# Altium PCB Bran_Main_Assay_PCB_v2_20170726.PcbDoc (part 1 of 5)
Units mil, origin at the board's own origin, x right, y up, seen from the top; angles counter-clockwise.
Board outline 3608.46 x 1899.79 mil, 6 copper layers (TOP, GND1, Singal, POWER, GND2, BOTTOM), stack 31.508 mil thick; 365 components, 289 nets, 1399 pads, 974 vias.
Unrouted connection lines stored in the file: 1.
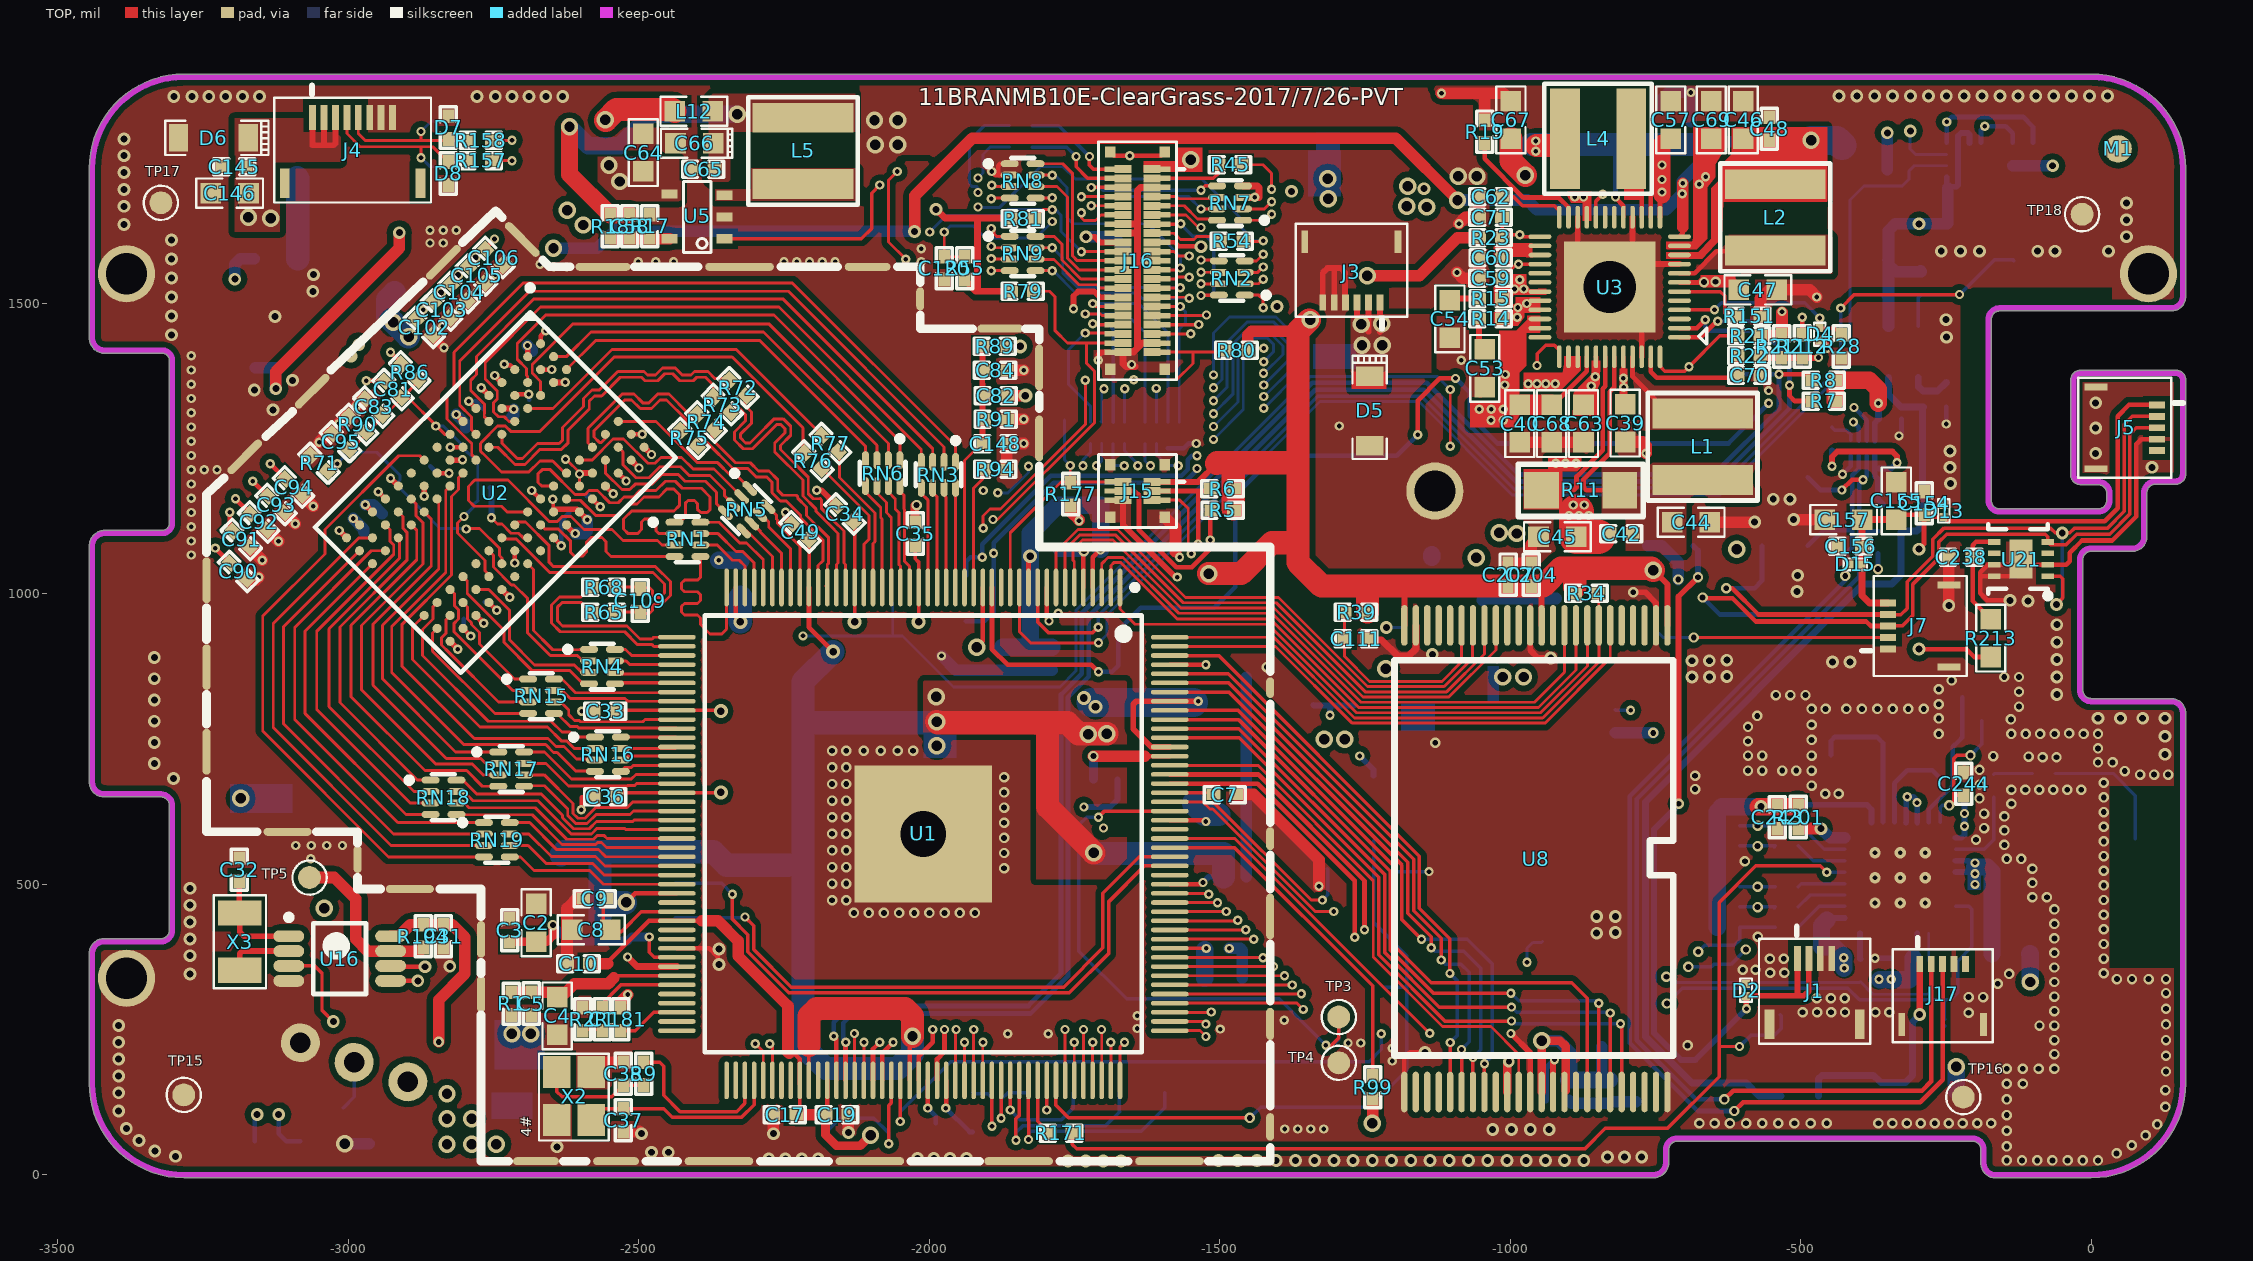
[diagram p0: TOP view]
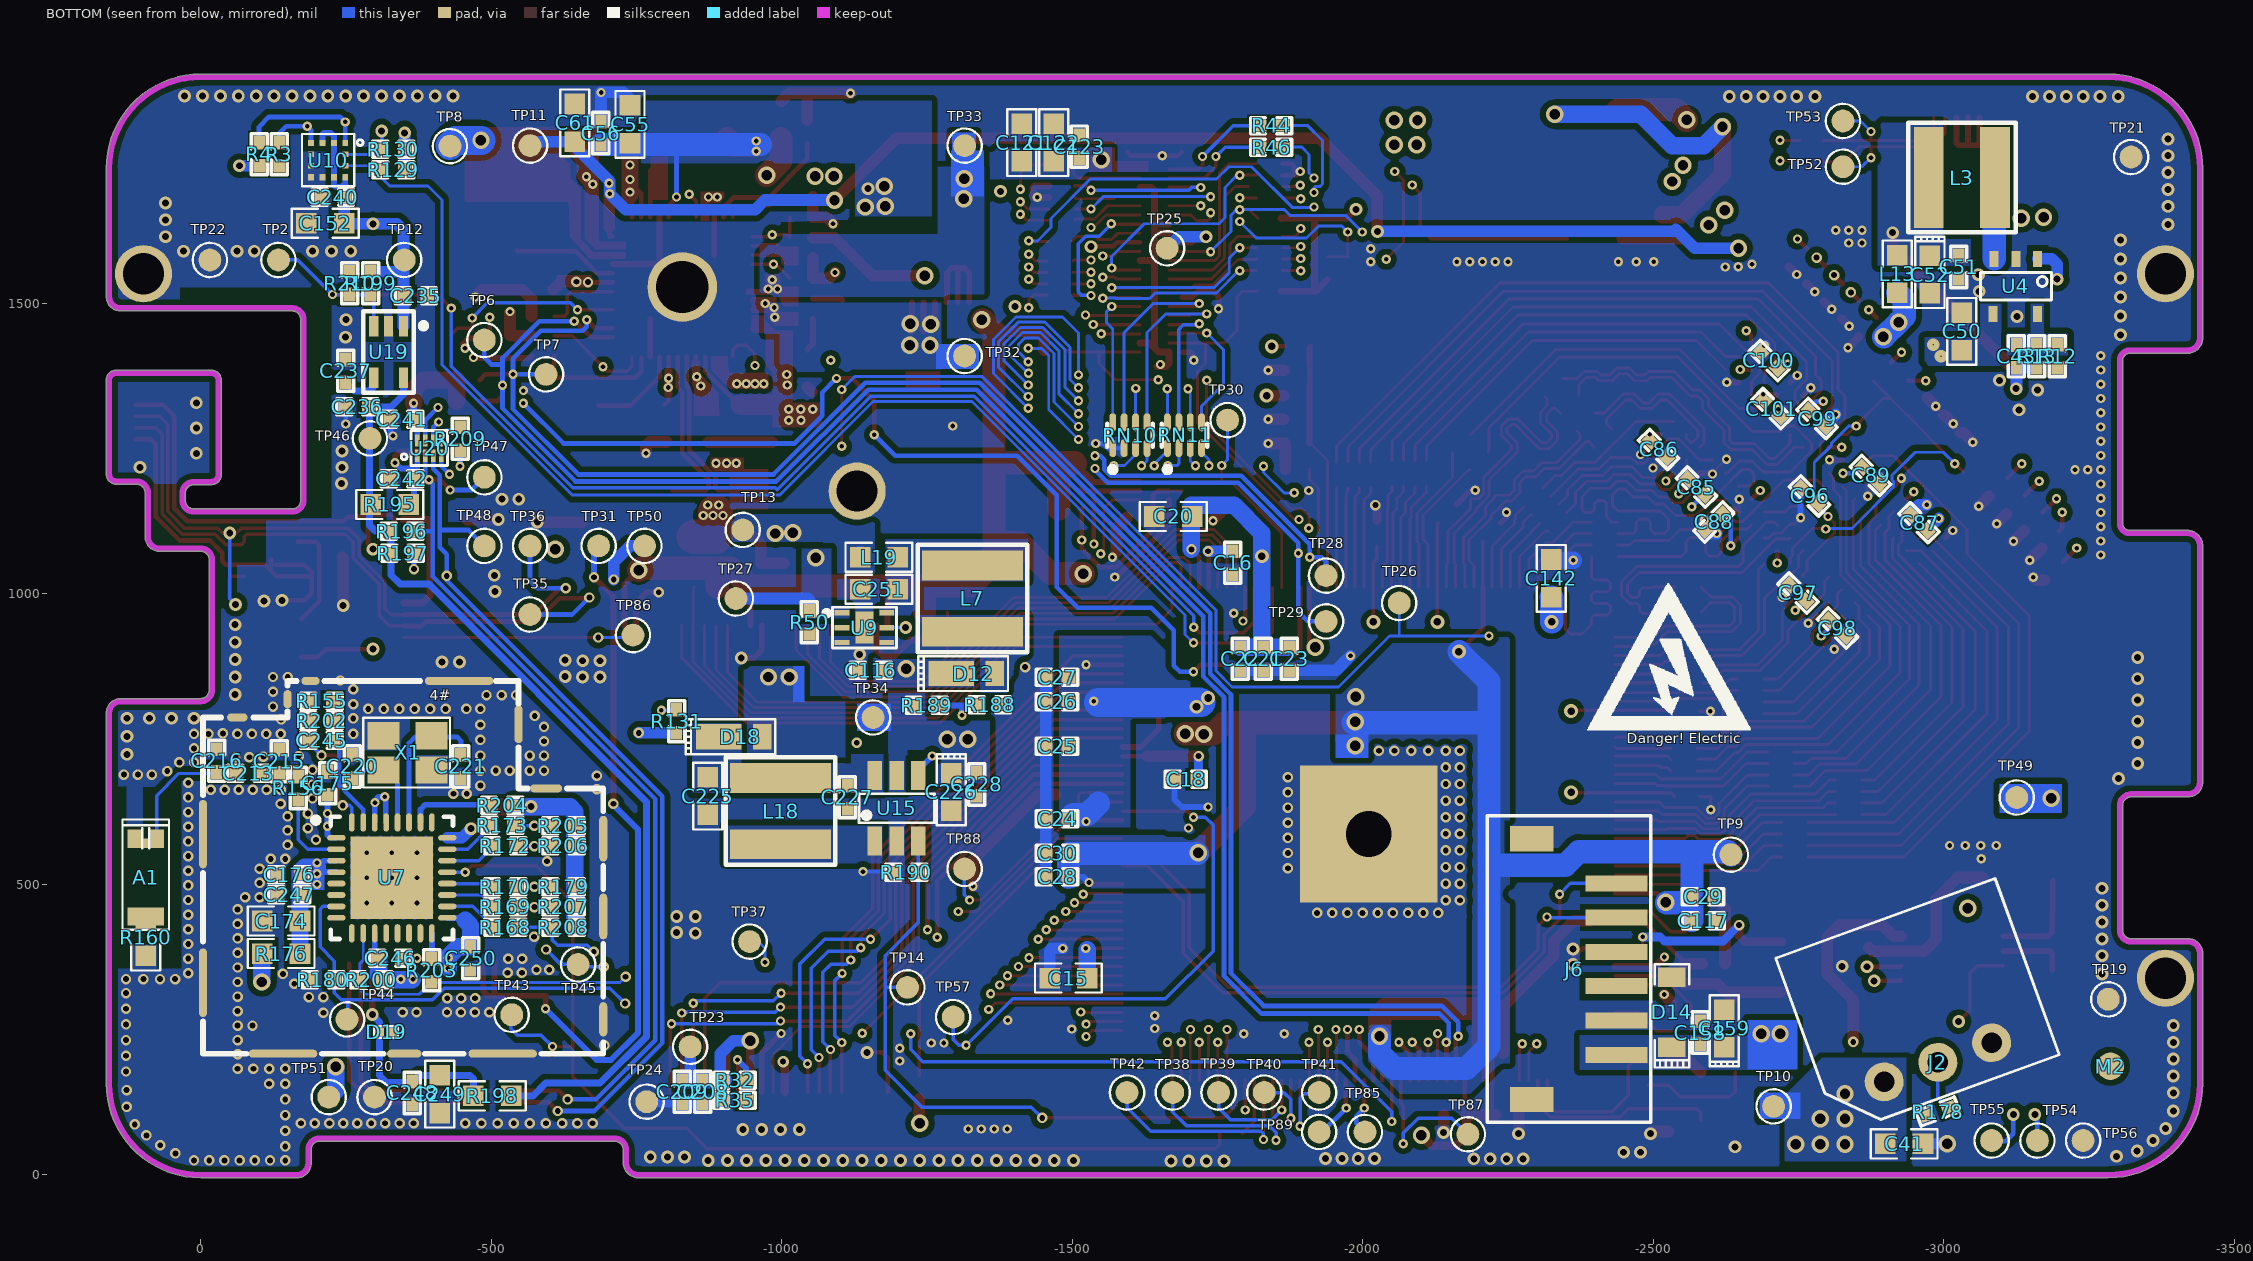
[diagram p1: BOTTOM view, seen from below]
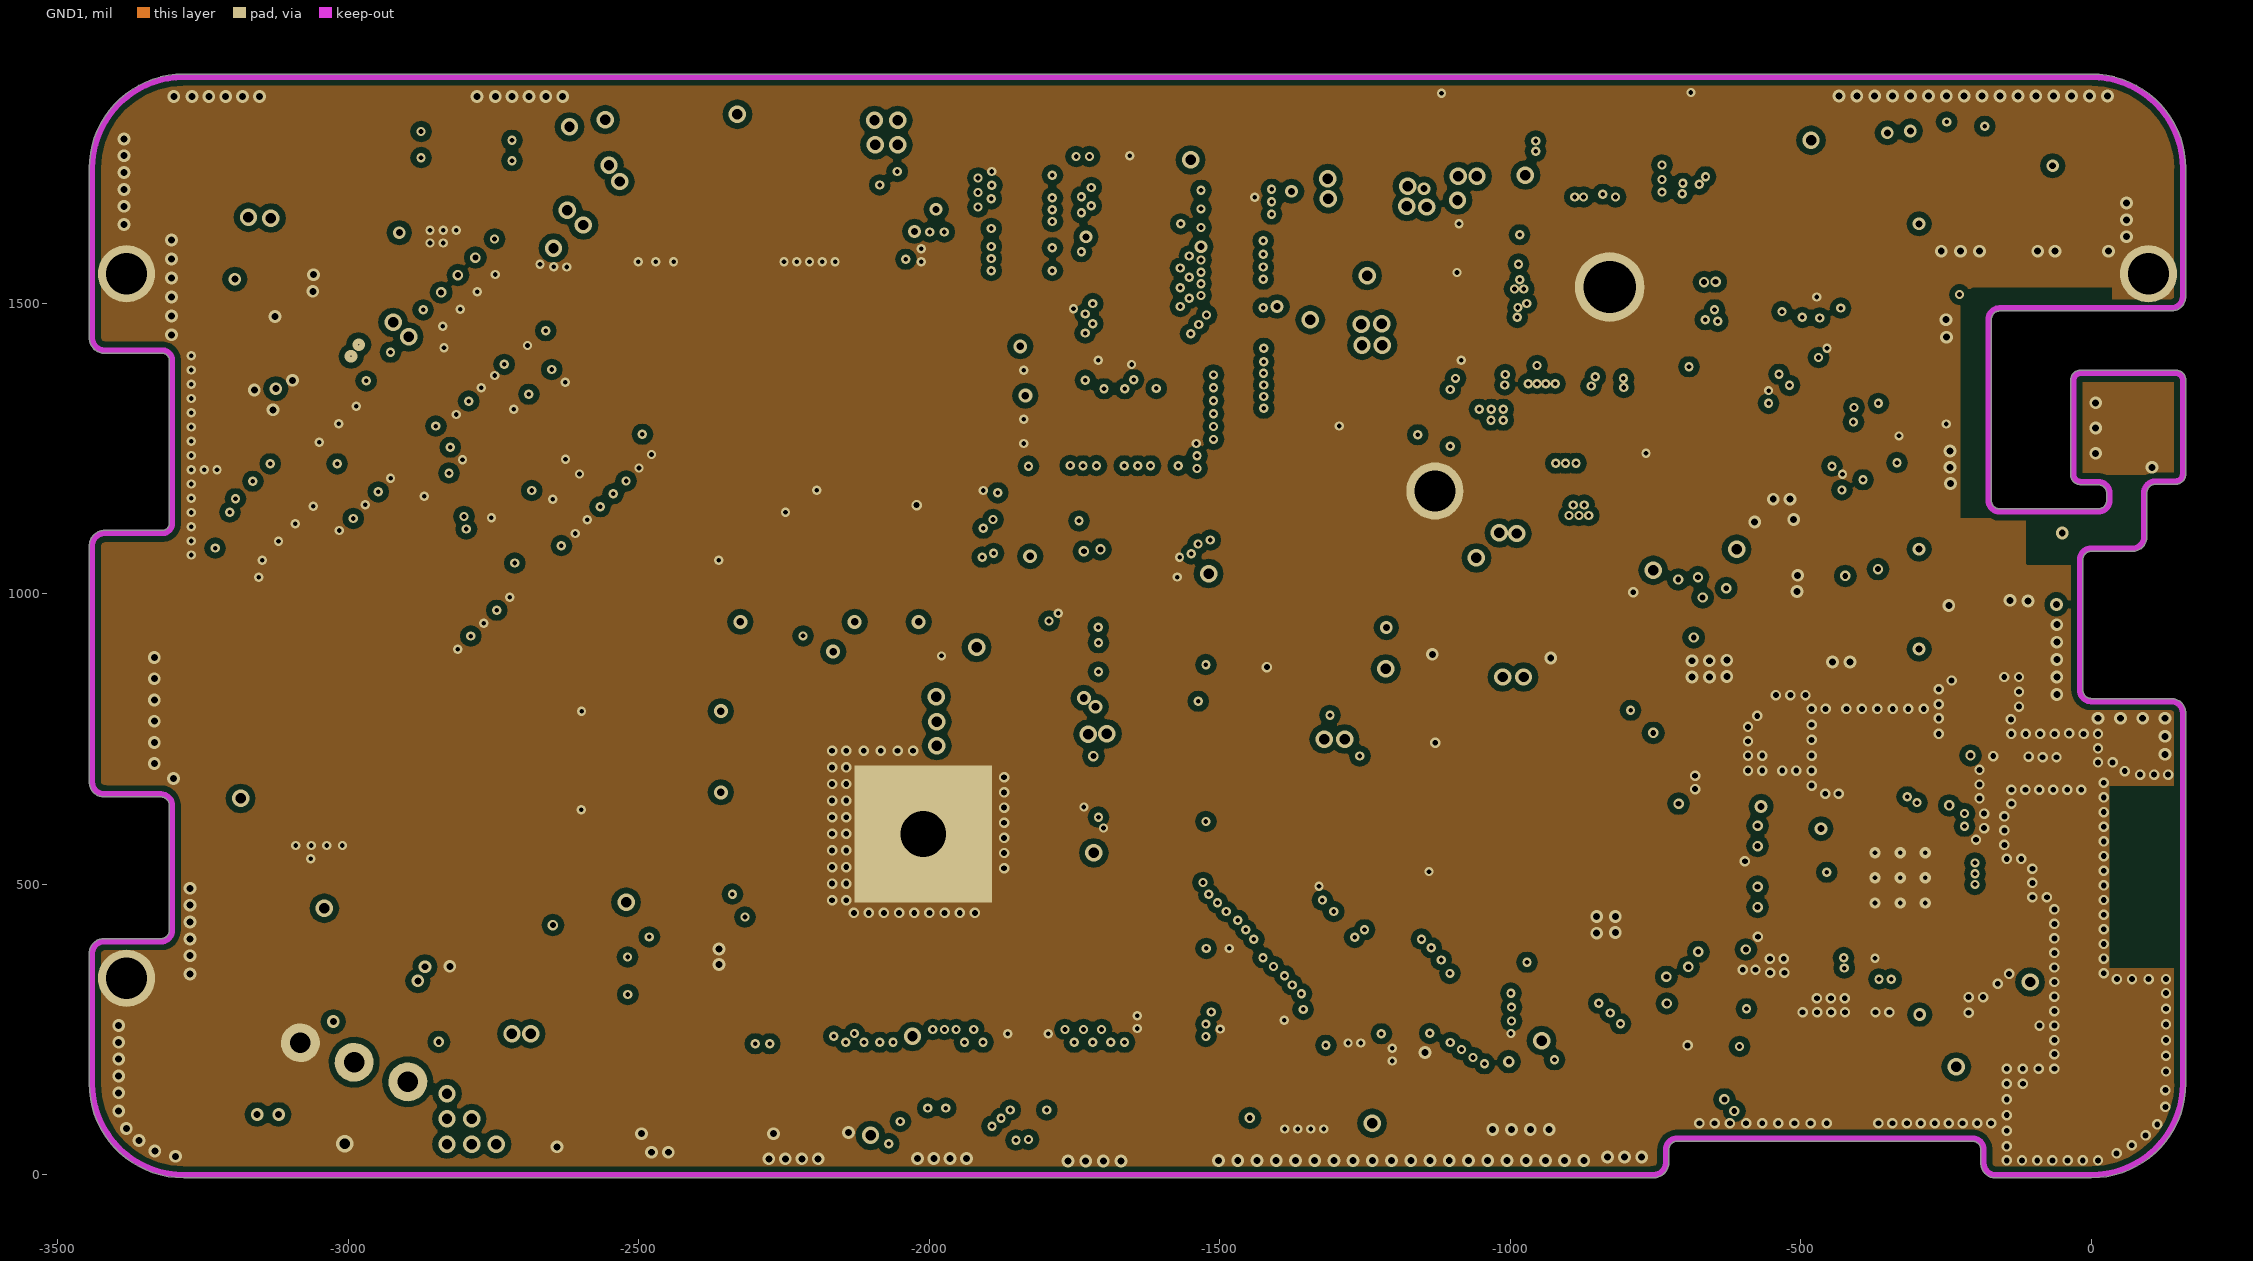
[diagram p2: GND1]
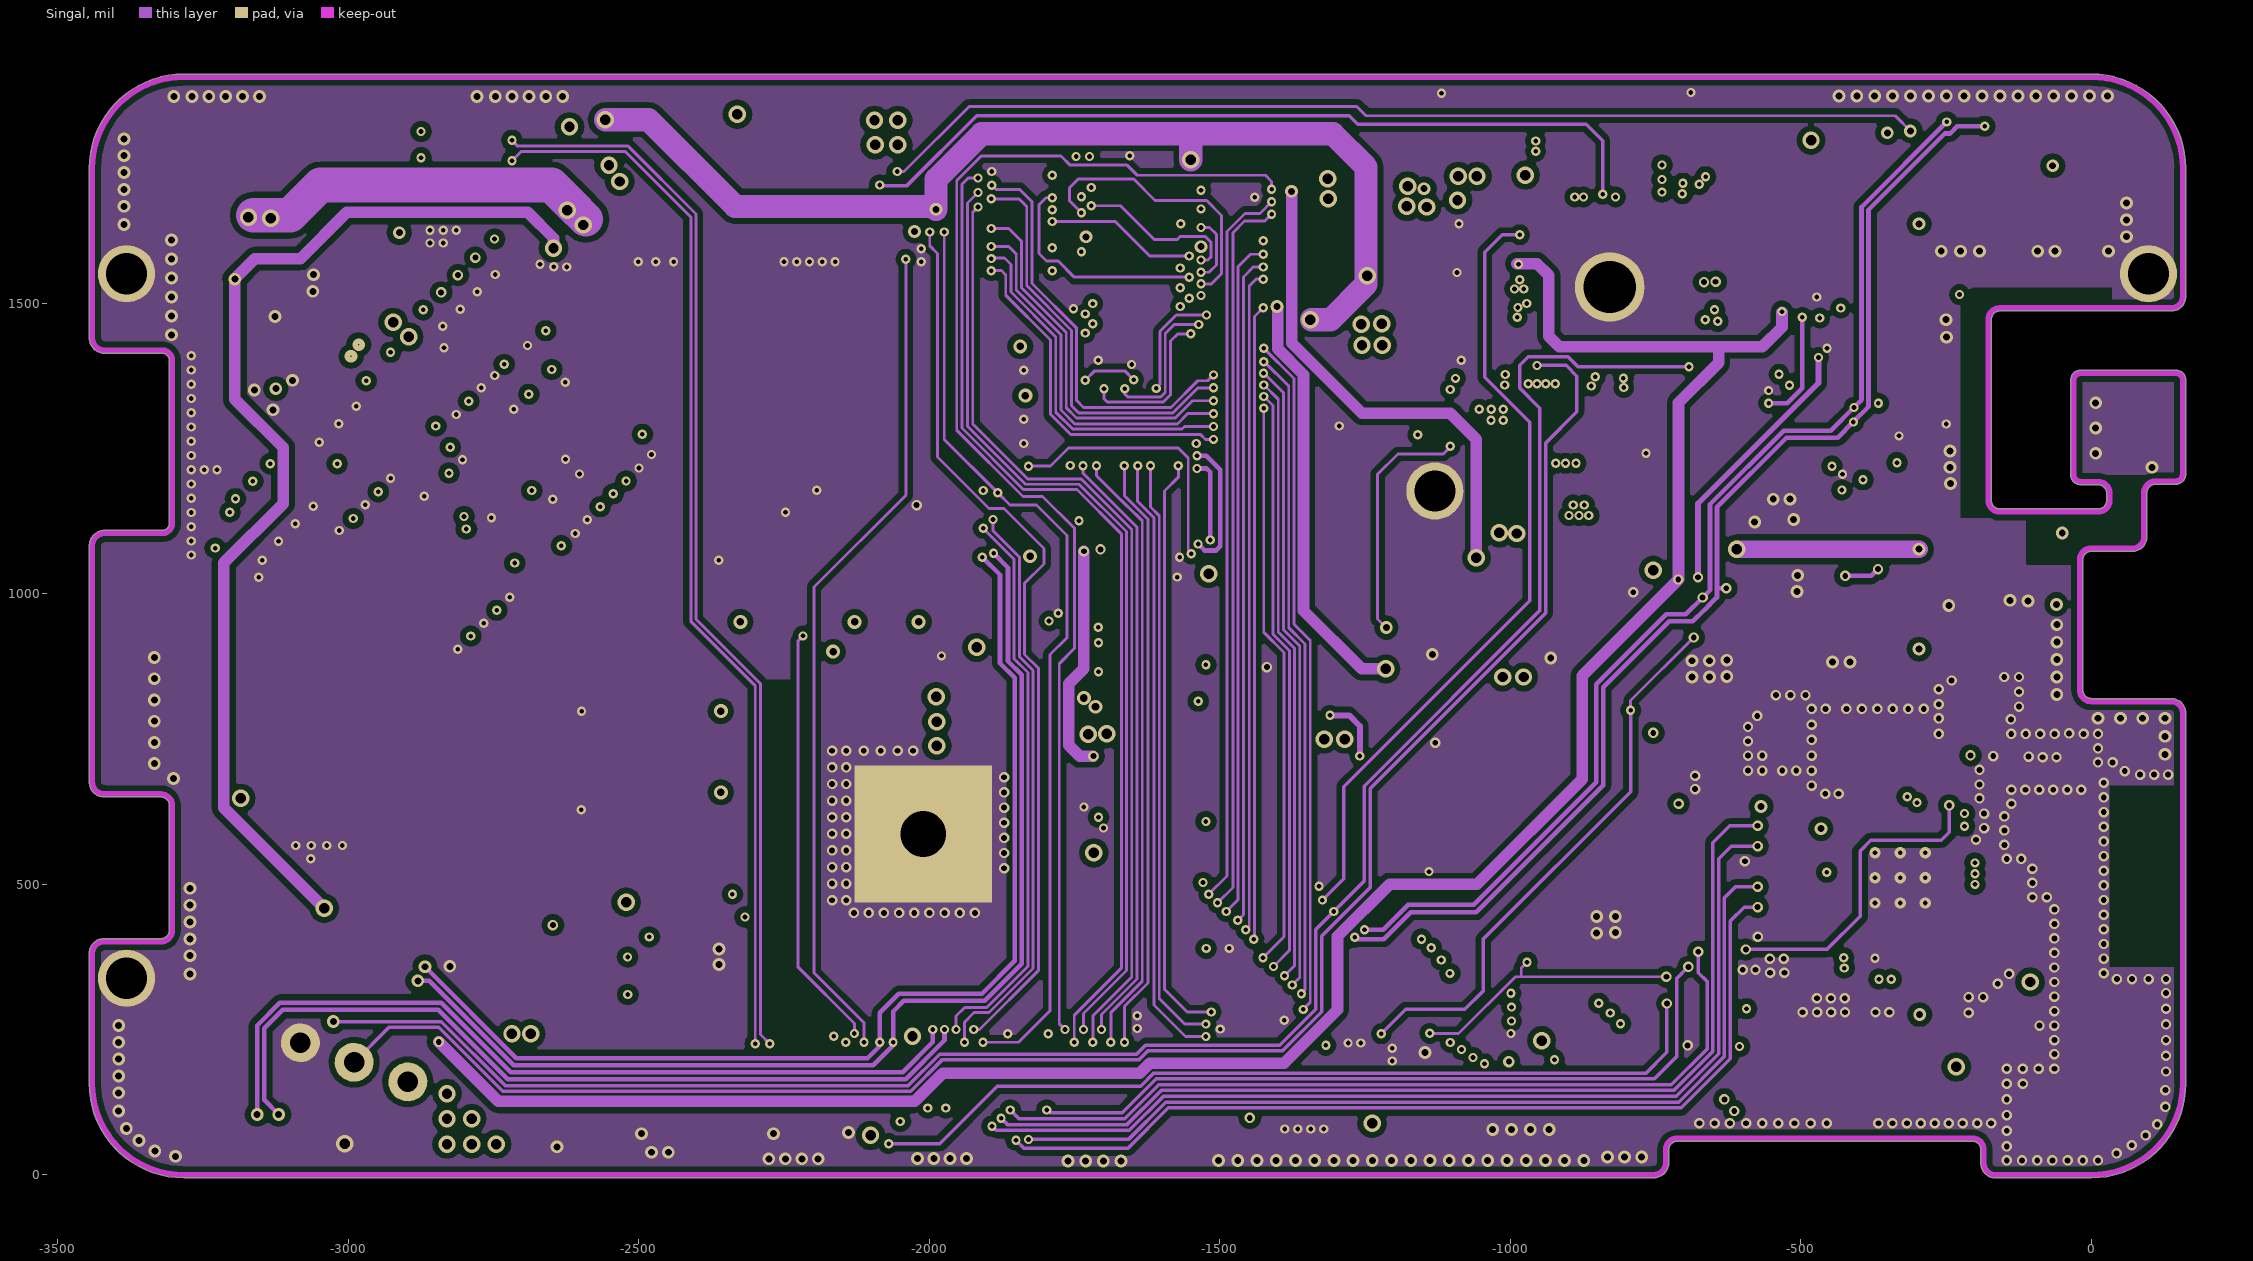
[diagram p3: Singal]
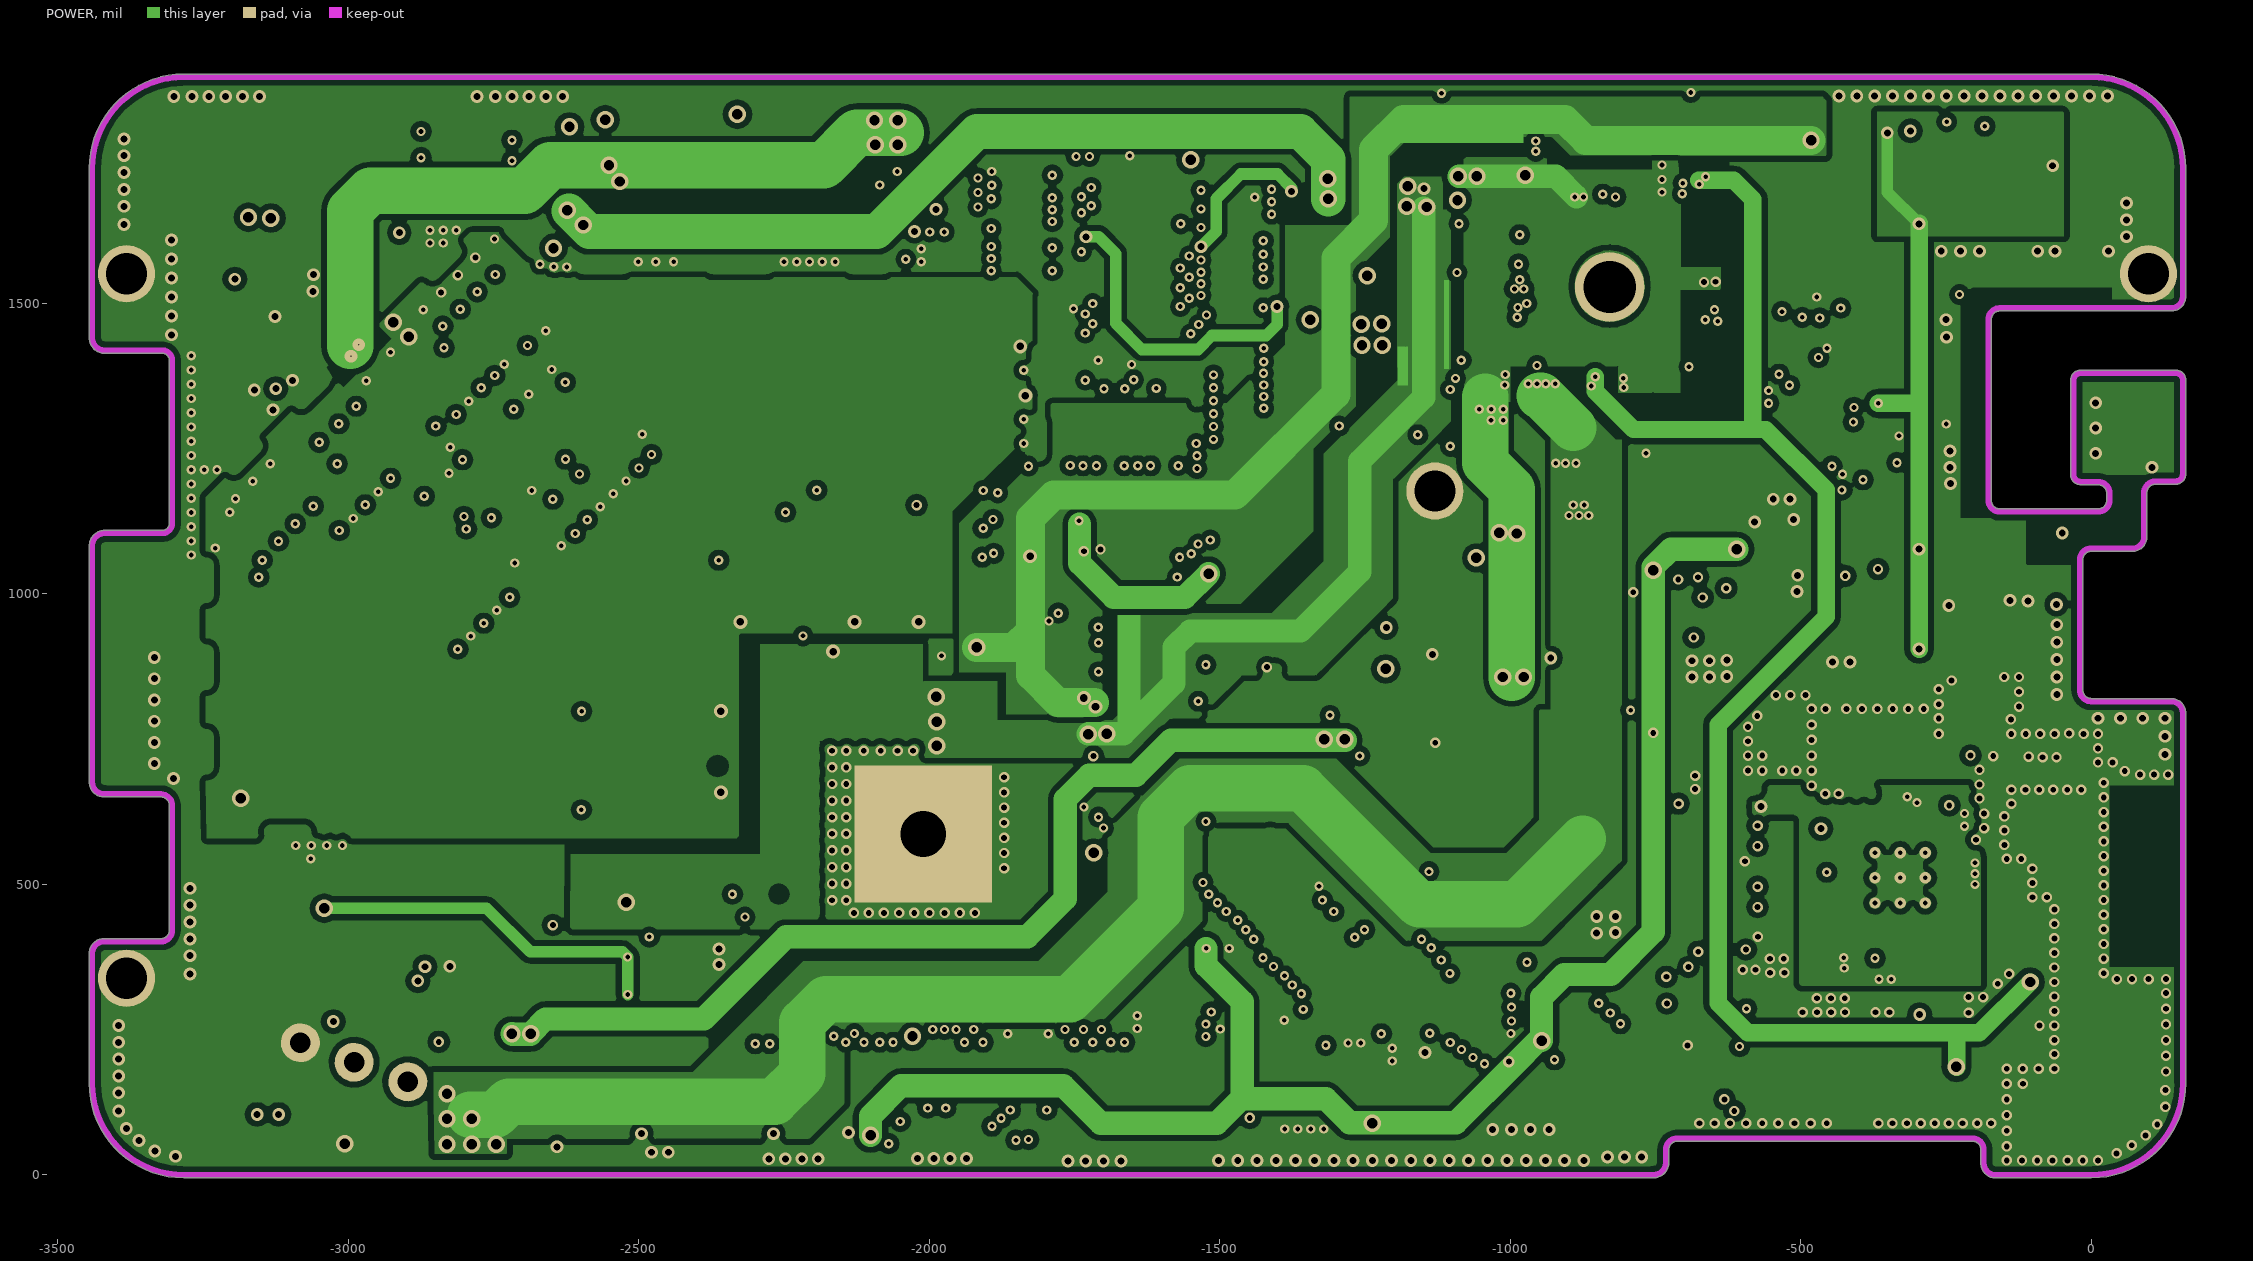
[diagram p4: POWER]